# Altium PCB SecurityBoard.PcbDoc (part 1 of 2)
Units mil, origin at the board's own origin, x right, y up, seen from the top; angles counter-clockwise.
Board outline 3728.47 x 3937.01 mil, 4 copper layers (Top Layer, GROUND, POWER, Bottom Layer), stack 53.912 mil thick; 127 components, 88 nets, 441 pads, 179 vias.
Unrouted connection lines stored in the file: 6.
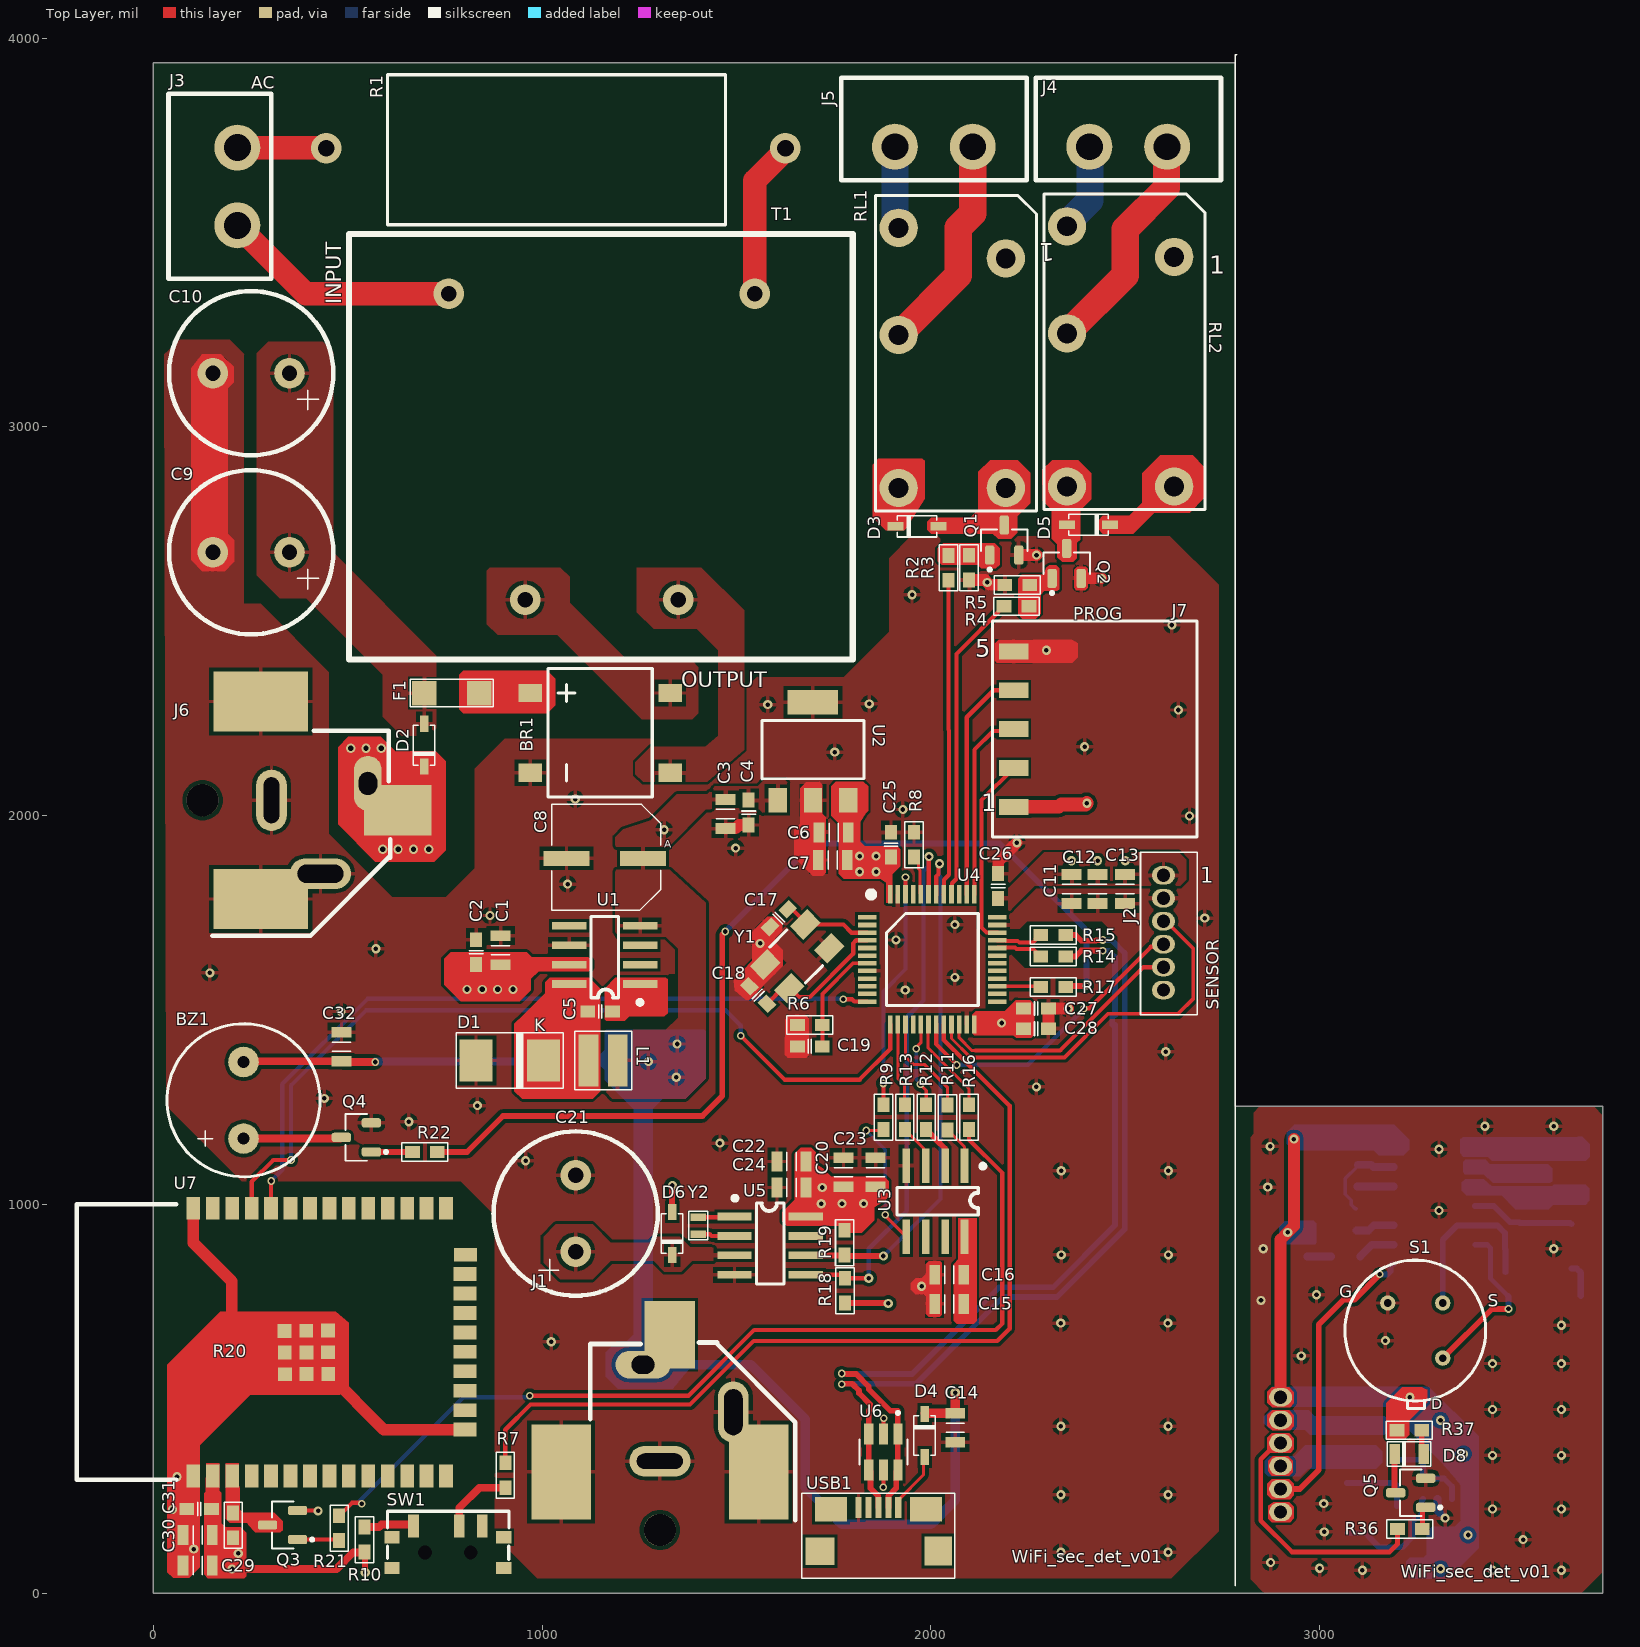
[diagram p0: Top Layer view]
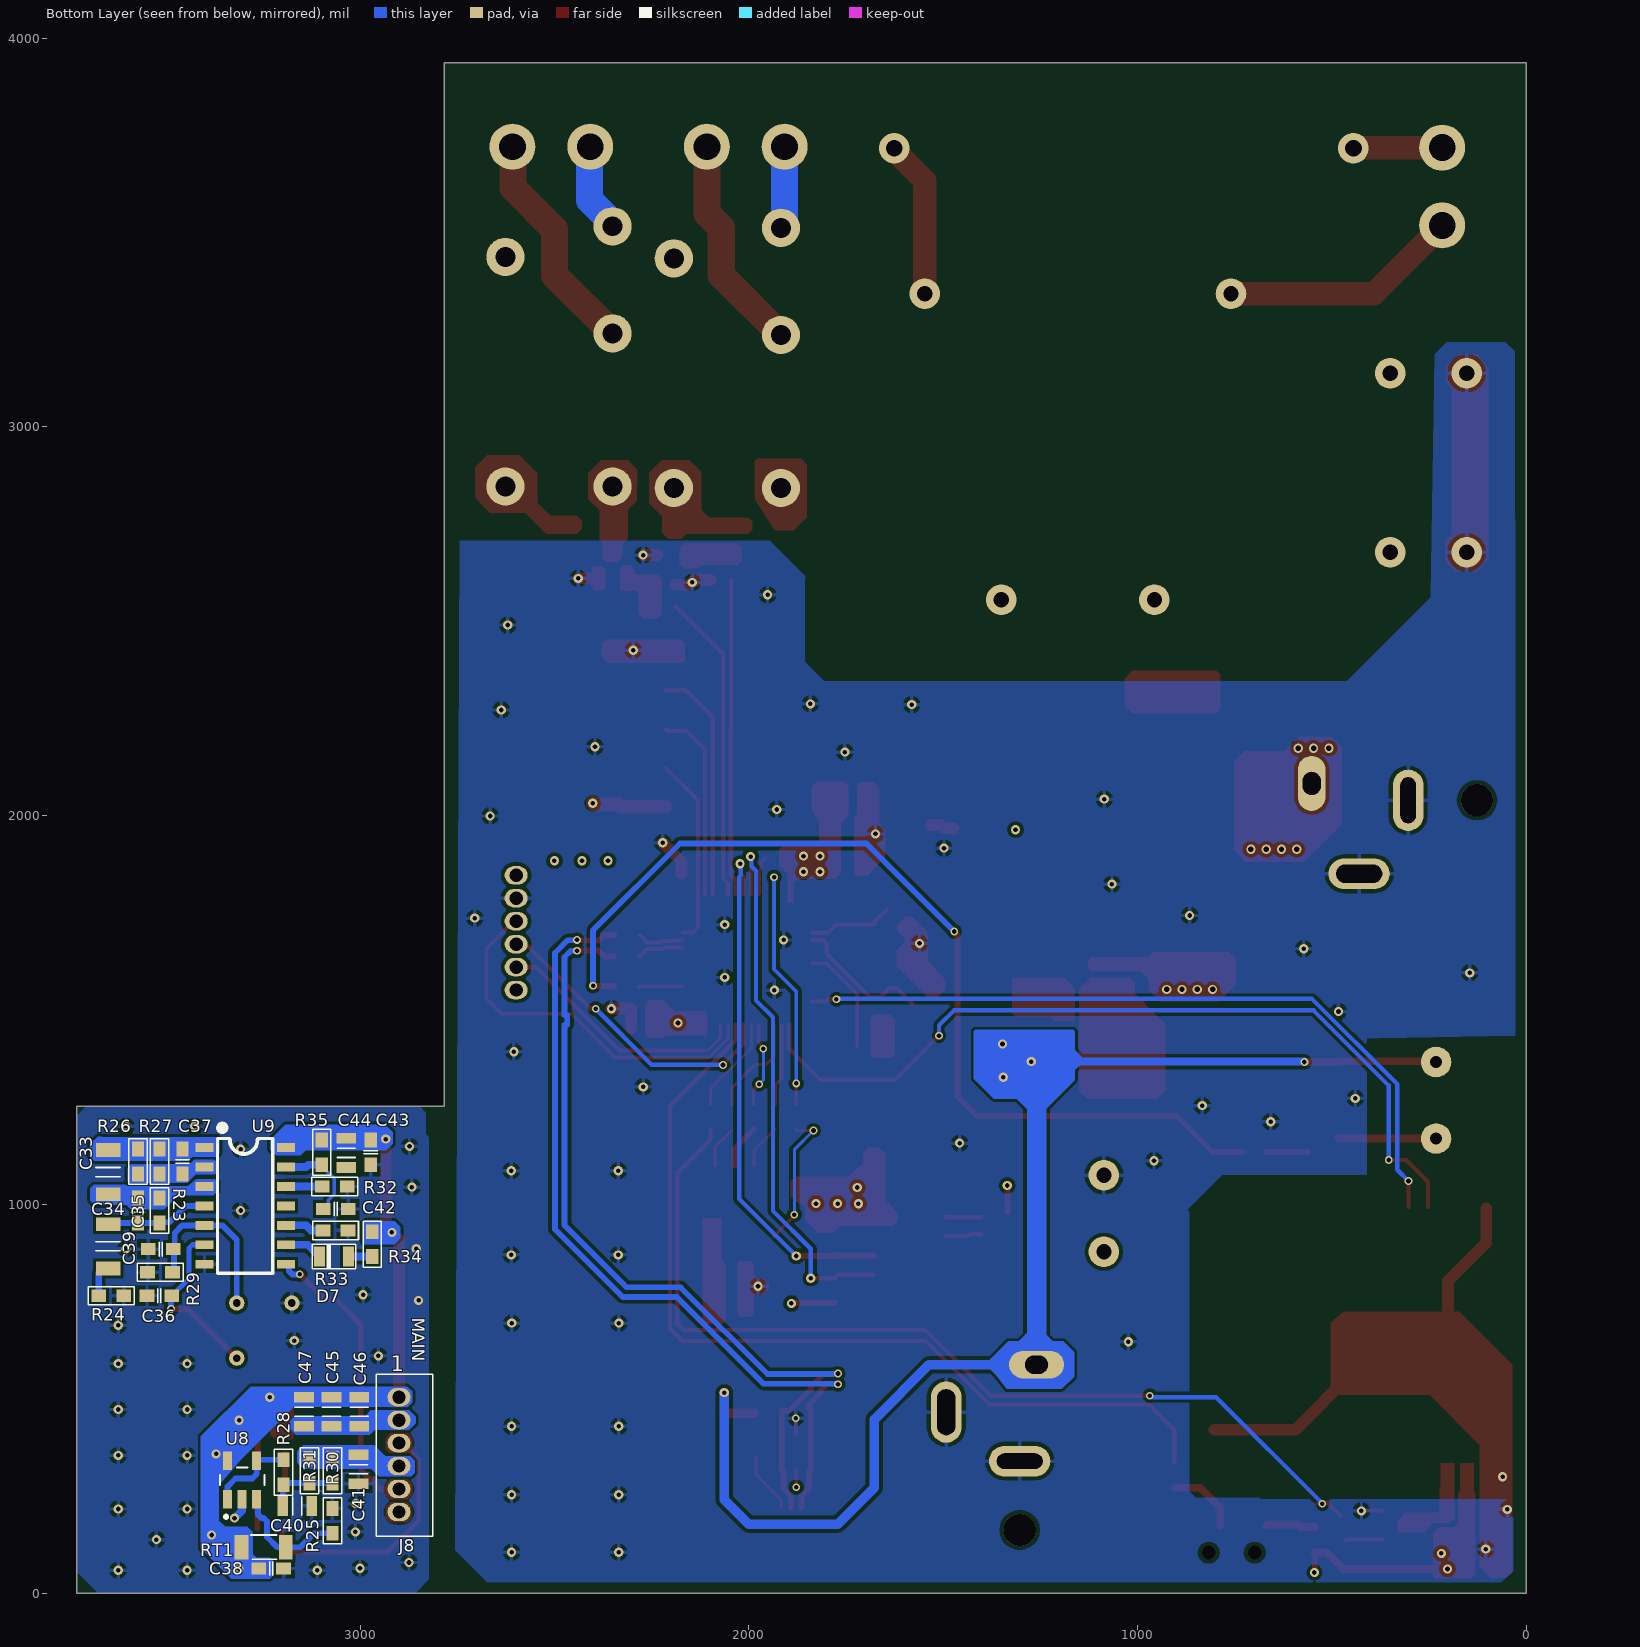
[diagram p1: Bottom Layer view, seen from below]
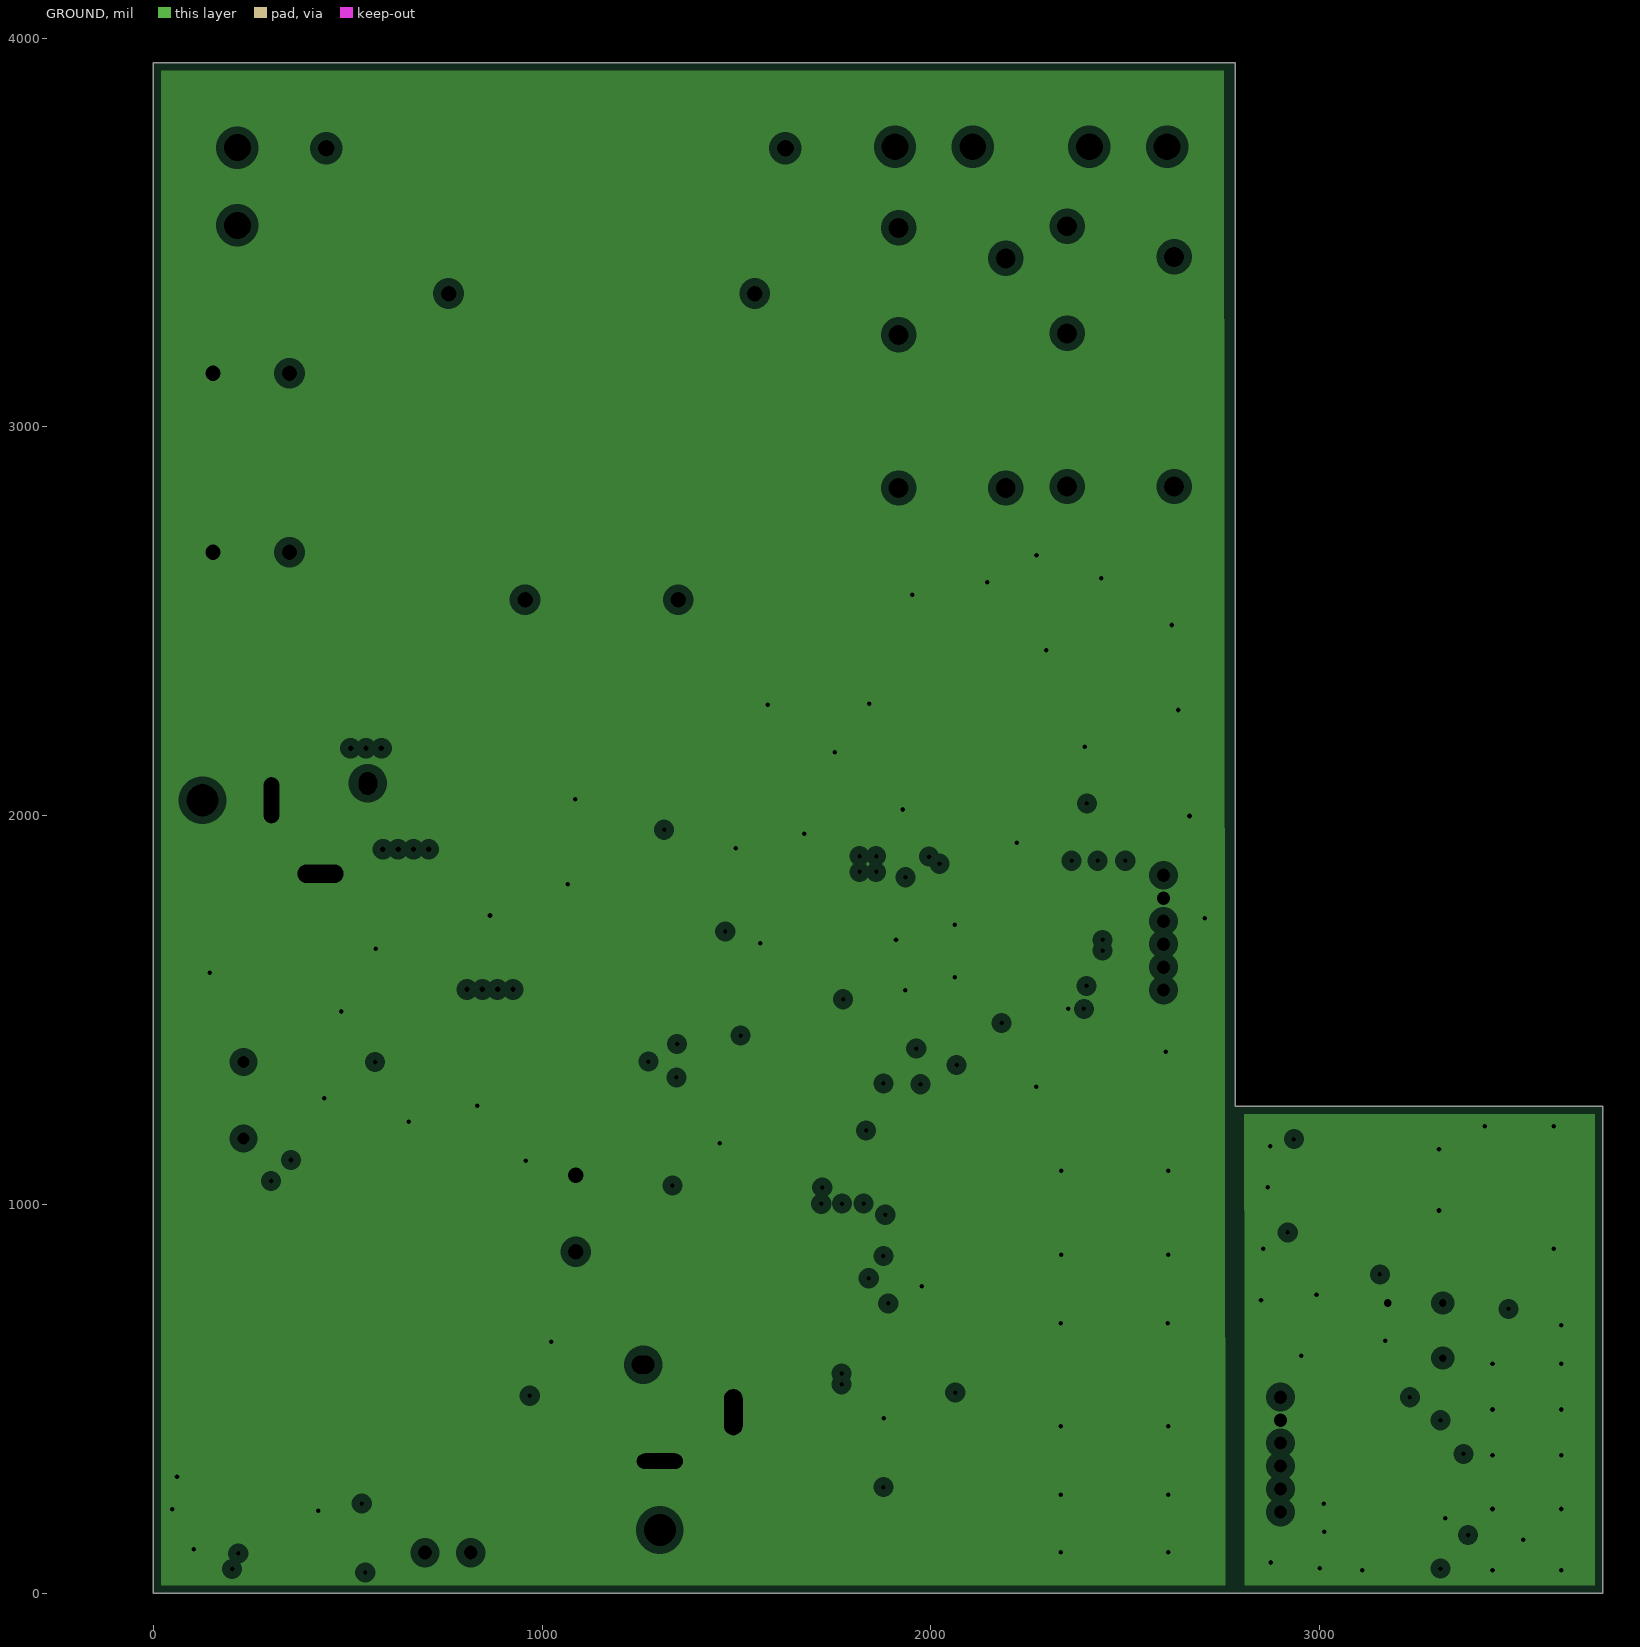
[diagram p2: GROUND, clearances drawn from the general rule]
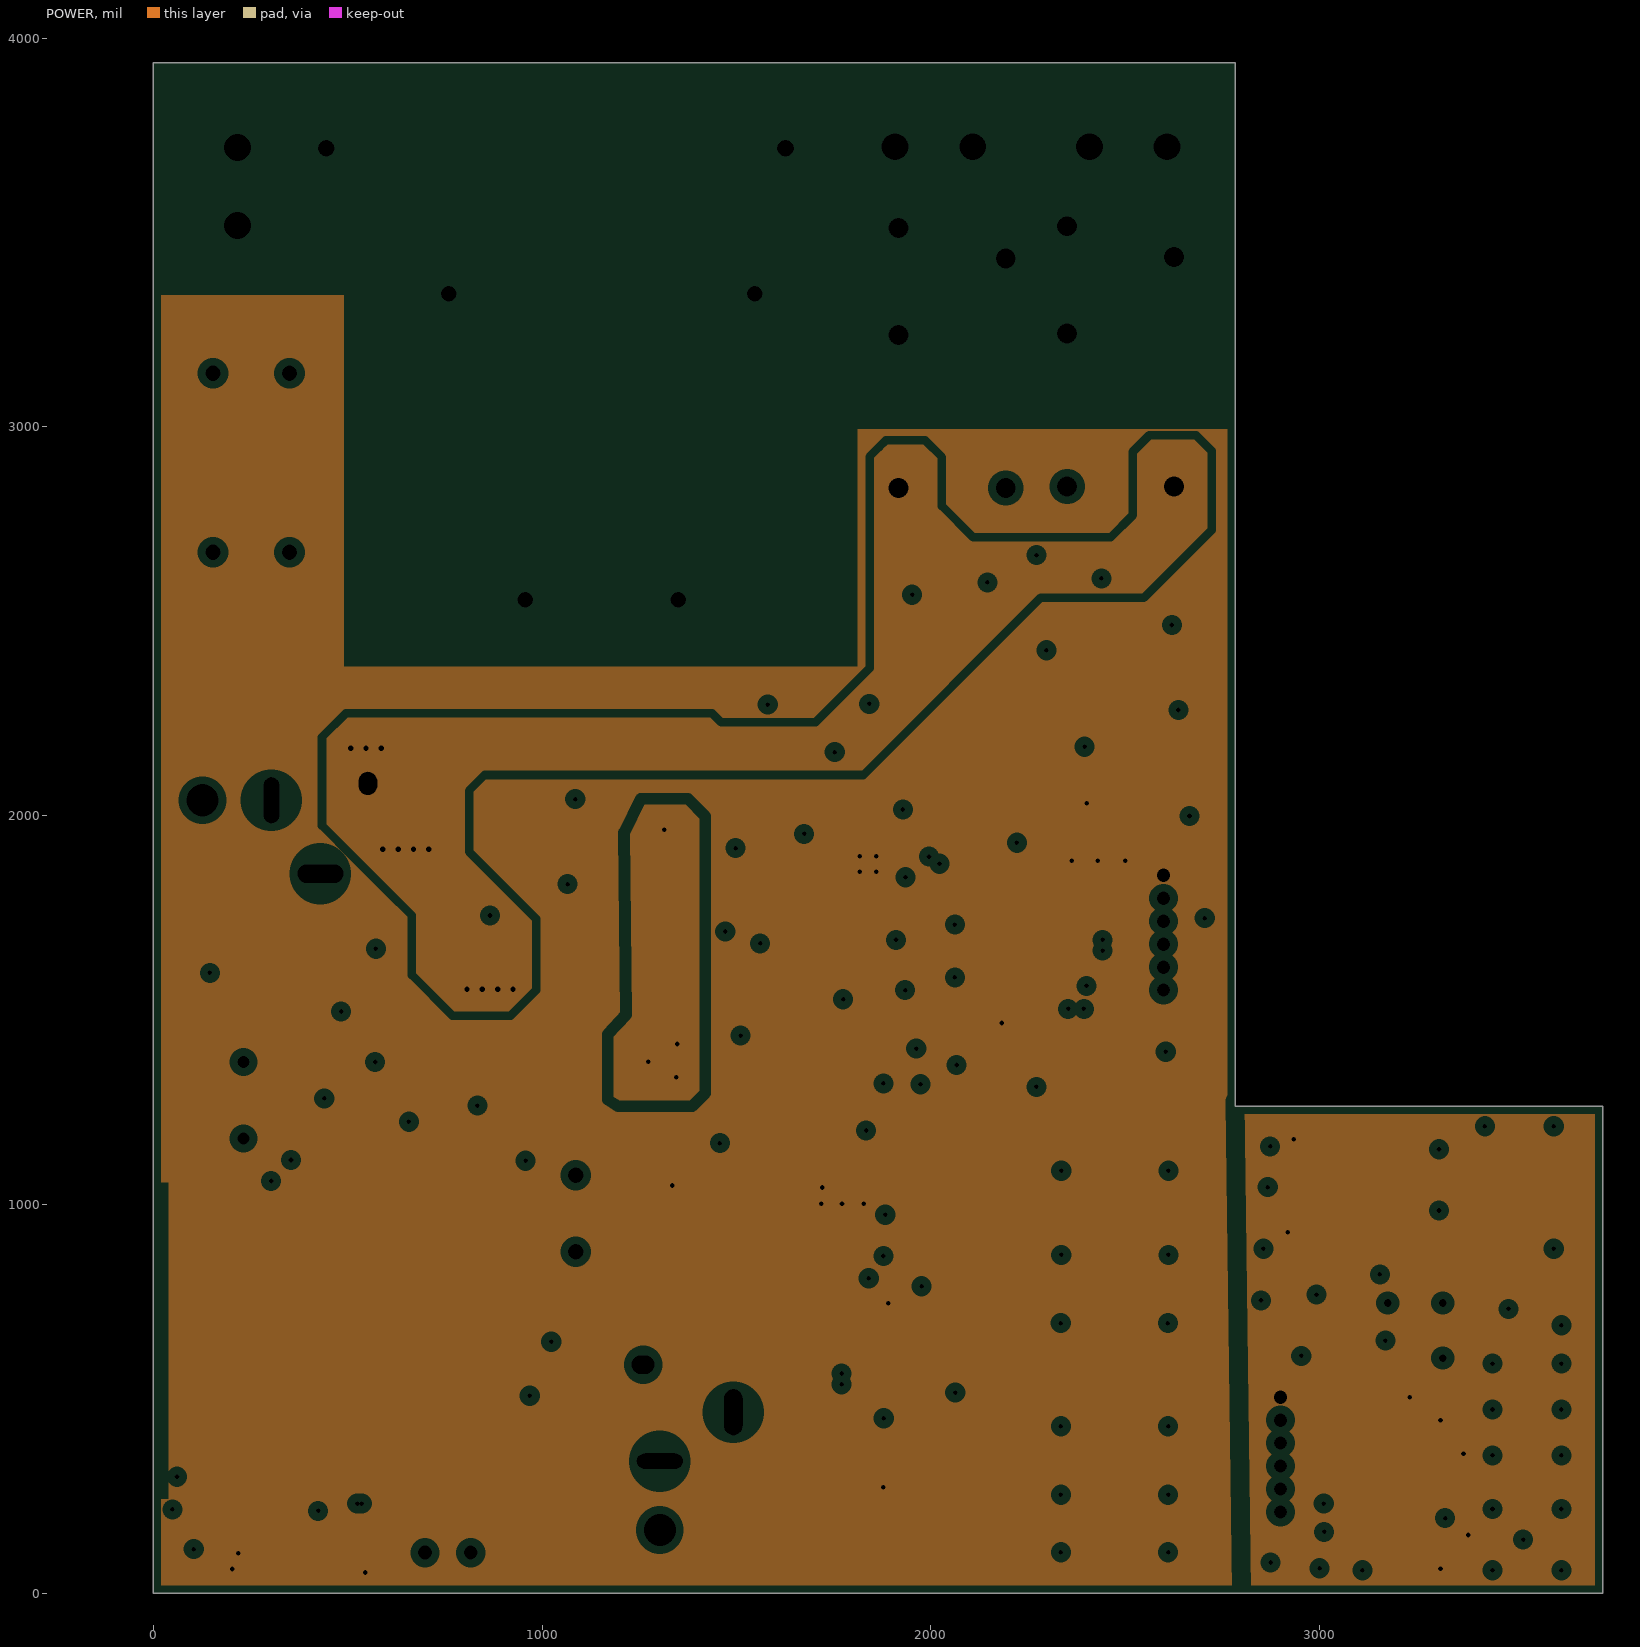
[diagram p3: POWER, clearances drawn from the general rule]
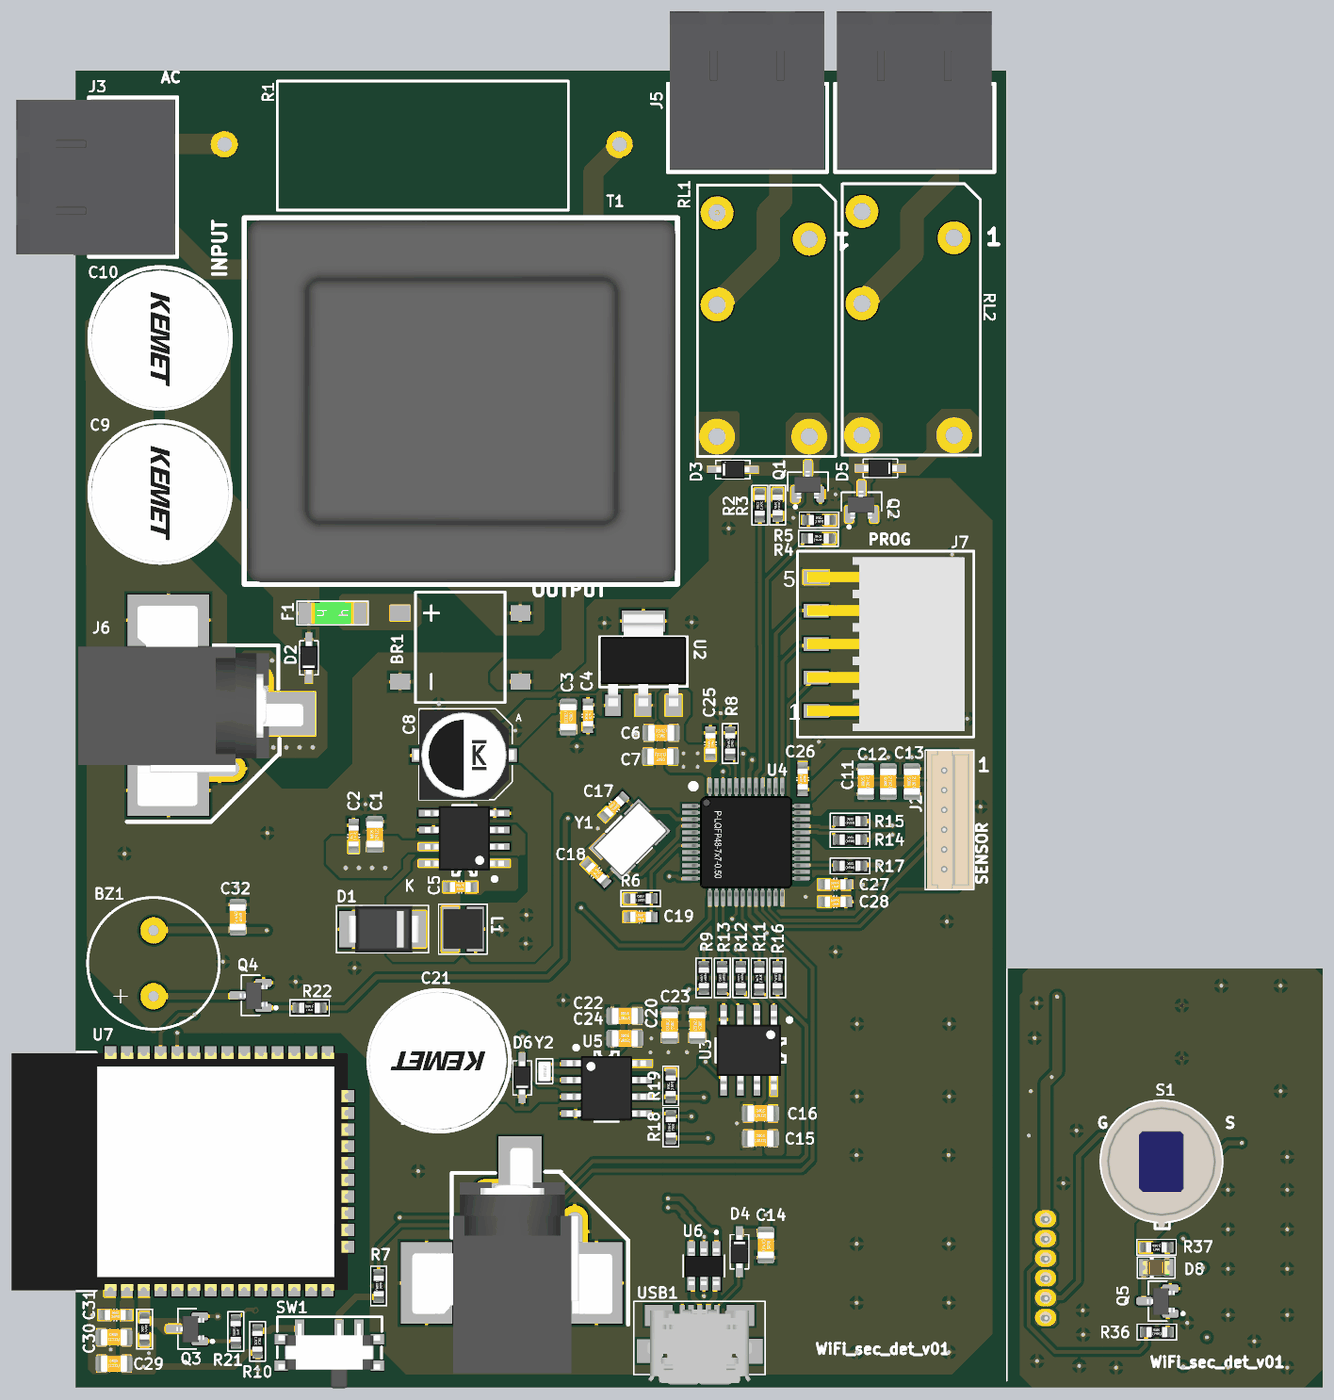
[diagram p5: 3D render of the assembled board from above, using the file's embedded part models]
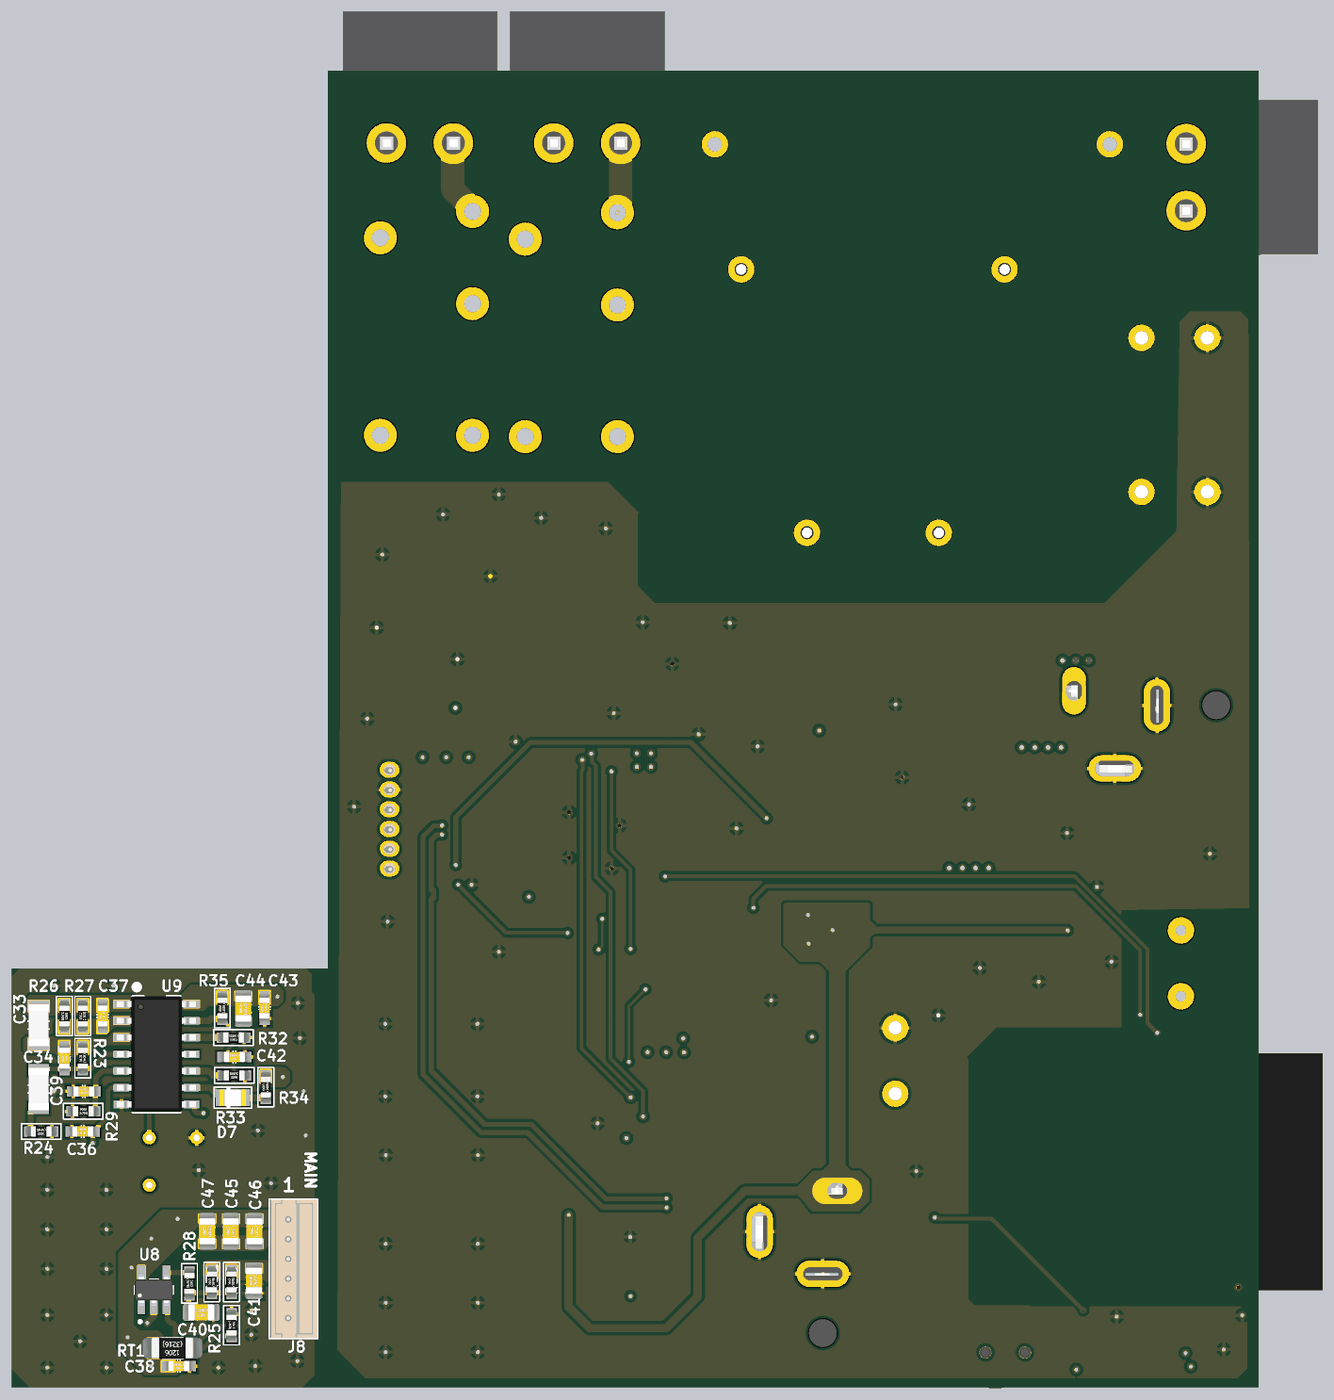
[diagram p6: 3D render of the assembled board from below, using the file's embedded part models]

## Layer stack, top to bottom
Top Solder: solder mask 1, SM-001, Dk 4
Top Layer: signal copper 1.378
Dielectric 1: prepreg 5.1, PP-017, Dk 4.3
Dielectric 2: prepreg 5.1, PP-017, Dk 4.3
GROUND: plane copper 1.378, net GND
Dielectric 3: core 28, Core-039, Dk 4.8
POWER: plane copper 1.378, net 12VDC
Dielectric 4: prepreg 5.1, PP-017, Dk 4.3
Dielectric 5: prepreg 5.1, PP-017, Dk 4.3
Bottom Layer: signal copper 1.378
Bottom Solder: solder mask 1, SM-001, Dk 4

## Board outline
-0.12,0 -0.12,3937.01 2783.46,3937.01 2783.46,1251.97 3728.35,1251.97 3728.35,0

## Design rules (kind name [scope] priority, off if disabled: settings)
Clearance [InNet('MCU_P') vs InNet('MCU_N')] p1: gap=9 ignorepadtopadclearanceinfootprint=TRUE except(0: Arc-Text Track-Text SMDPad-Text THPad-Text Via-Text Fill-Text Poly-Text Region-Text Text-Text Text-Hole; 6: Arc-Arc Arc-Track Track-Track; 7: Arc-SMDPad Arc-Via Track-SMDPad Track-Via SMDPad-Fill SMDPad-Poly SMDPad-Region Fill-Fill Fill-Poly Fill-Region Poly-Poly Poly-Region Region-Region; 7.87: Via-Via; 8: SMDPad-SMDPad SMDPad-THPad THPad-THPad; 10: Arc-THPad Arc-Hole Track-THPad Track-Hole SMDPad-Via SMDPad-Hole THPad-Via THPad-Hole Via-Hole Fill-Hole Poly-Hole Region-Hole)
Clearance Clearance_1 [All] p2: gap=7 ignorepadtopadclearanceinfootprint=TRUE except(0: Arc-Text Track-Text SMDPad-Text THPad-Text Via-Text Fill-Text Poly-Text Region-Text Text-Text Text-Hole; 7.87: Via-Via; 8: SMDPad-SMDPad SMDPad-THPad THPad-THPad; 9: Arc-Fill Arc-Poly Arc-Region Track-Fill Track-Poly Track-Region THPad-Fill THPad-Poly THPad-Region Via-Fill Via-Poly Via-Region; 10: Arc-THPad Arc-Hole Track-THPad Track-Hole SMDPad-Via SMDPad-Hole THPad-Via THPad-Hole Via-Hole Fill-Hole Poly-Hole Region-Hole)
DiffPairsRouting [InDifferentialPair('MCU')] p1: maxlimit=6.9 minlimit=6.9 mostfreqgap=6.9 toplayer_minwidth=10 toplayer_maxwidth=10 toplayer_prefwidth=10 bottomlayer_minwidth=10 bottomlayer_maxwidth=10 bottomlayer_prefwidth=10 impedanceprofiledriven=TRUE impedanceprofileid={9AFBD618-6045-47C7-94B6-45CEEB2B7635} impedanceprofilevalue=90.000000 maxuncoupledlength=500
DiffPairsRouting DiffPairsRouting_1 [All] p2: maxlimit=10 minlimit=10 mostfreqgap=10 toplayer_minwidth=14.7 toplayer_maxwidth=14.7 toplayer_prefwidth=14.7 bottomlayer_minwidth=14.7 bottomlayer_maxwidth=14.7 bottomlayer_prefwidth=14.7 impedanceprofiledriven=TRUE impedanceprofileid={39368470-D9F9-48B6-8F14-EFF170A4431F} impedanceprofilevalue=90.000000 maxuncoupledlength=500
PlaneClearance [All] p1: clearance=20
PlaneConnect [All] p1: planeconnectstyle=Relief reliefexpansion=20 reliefentries=4 reliefconductorwidth=10 reliefairgap=10
PolygonConnect [All] p1: connectstyle=Relief reliefconductorwidth=10 reliefentries=4 polygonreliefangle="90 Angle" airgapwidth=10
RoutingCorners [All] p1: cornerstyle=45-Degree minsetback=80 maxsetback=80
RoutingVias [All] p1: holewidth=11.81 width=19.68 viastyle="Through Hole" minholewidth=7.87 minwidth=15.75 maxholewidth=19.68 maxwidth=39.37
SMDToCorner [All] p1: distance=10000
SolderMaskExpansion [All] p1: expansion=4 istentingtop=FALSE
UnRoutedNet [All] p1: checkbadconnections=TRUE
Width [All] p1: maxlimit=70 minlimit=8 preferedwidth=11 minimp=50.000000 maximp=50.000000 favimp=50.000000
25 further rules are at their usual default settings.
